# Altium PCB RCJ22_driverboard_2.PcbDoc (part 1 of 3) (continued)
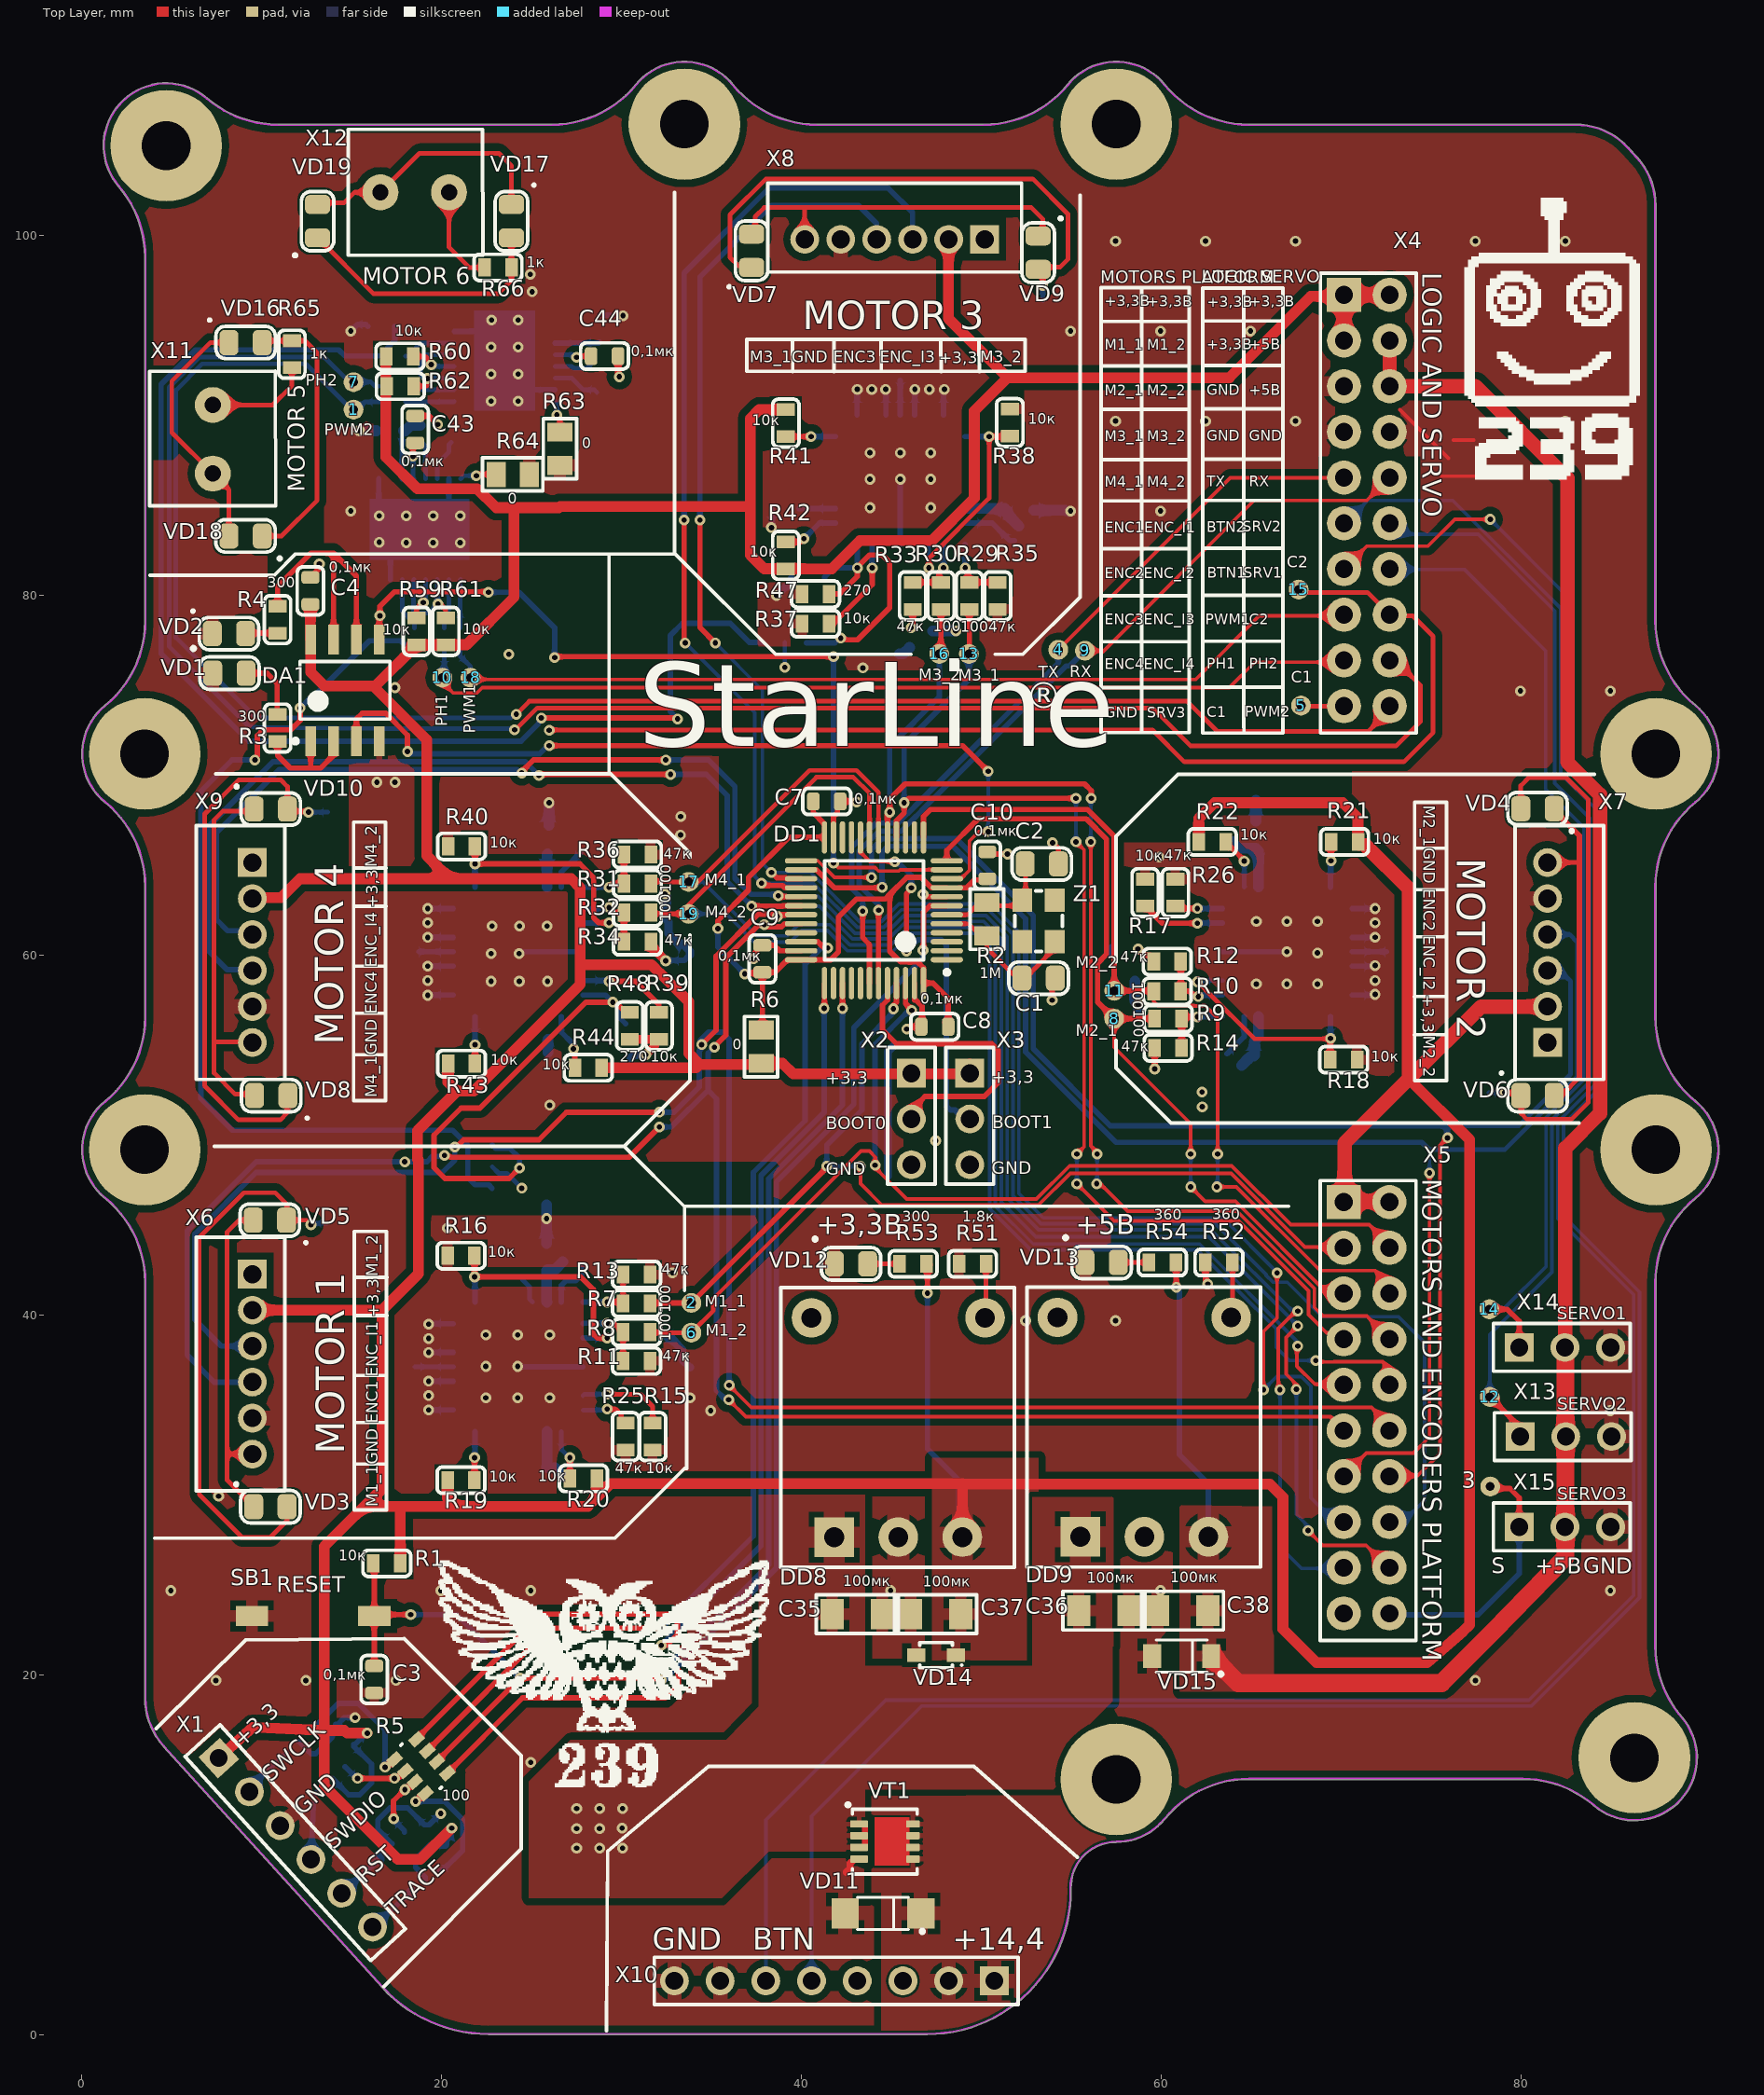
[diagram p0: Top Layer view]
## Classes and differential pairs
component class RCJ22_driverboard_2_power: C35 C36 C37 C38 C39 C40 C41 C42 C43 C44 DD8 DD9 DD10 DD11 R51 R52 R53 R54 R55 R56 R57 R58 R59 R60 R61 R62 R63 R64 R65 R66 R68 R69 R70 VD11 VD12 VD13 VD14 VD15 VD16 VD17 VD18 VD19 VT1 X10 X11 X12 X13 X14 X15
component class RCJ22_driverboard_2_mcu: C1 C2 C3 C4 C5 C6 C7 C8 C9 C10 DA1 DD1 DD2 DD3 R1 R2 R3 R4 R5 R6 SB1 VD1 VD2 X1 X2 X3 Z1
component class RCJ22_driverboard_2_drivers: * *1 C11 C12 C13 C14 C15 C16 C17 C18 C19 C20 C21 C22 C23 C24 C25 C26 C27 C28 C29 C30 C31 C32 C33 C34 C45 C46 DD4 DD5 DD6 DD7 R7 R8 R9 R10 R11 R12 R13 R14 R15 R16 R17 R18 R19 R20 R21 R22 R23 R24 R25 R26 R27 R28 R29 R30 R31 R32 R33 R34 R35 R36 R37 R38 R39 R40 R41 R42 R43 R44 R45 R46 R47 R48 R49 R50 VD3 VD4 VD5 VD6 VD7 VD8 VD9 VD10
component class RCJ22_driverboard_2_connectors: 1 2 3 4 5 6 7 8 9 10 11 12 13 14 15 16 17 18 19 X4 X5 X6 X7 X8 X9

## Components (designator, comment, footprint, x,y, rotation, side; value= is the part's Value field where it differs from the comment)
1 "PWM2" "0.5 X 1_ROUND" 15.125,90.325 r90 top
2 "1_1" "0.5 X 1_ROUND" 33.9,40.675 r90 top
3 "SERVO3" "0.5 X 1_ROUND" 78.3,30.475 r90 top
4 "RX" "0.5 X 1_ROUND" 54.292,76.975 r90 top
5 "CURRENT1" "0.5 X 1_ROUND" 67.786,73.875 r90 top
6 "1_2" "0.5 X 1_ROUND" 33.9,39.025 r90 top
7 "PH2" "0.5 X 1_ROUND" 15.125,91.85 r90 top
8 "2_1" "0.5 X 1_ROUND" 57.4,56.475 r90 top
9 "TX" "0.5 X 1_ROUND" 55.775,76.923 r90 top
10 "PH1" "0.5 X 1_ROUND" 20.062,75.425 r0 top
11 "2_2" "0.5 X 1_ROUND" 57.4,58.025 r90 top
12 "SERVO2" "0.5 X 1_ROUND" 78.275,35.455 r90 top
13 "3_1" "0.5 X 1_ROUND" 49.325,76.75 r0 top
14 "SERVO1" "0.5 X 1_ROUND" 78.25,40.325 r0 top
15 "CURRENT2" "0.5 X 1_ROUND" 67.654,80.325 r0 top
16 "3_2" "0.5 X 1_ROUND" 47.675,76.75 r0 top
17 "4_1" "0.5 X 1_ROUND" 33.75,64.075 r0 top
18 "PWM1" "0.5 X 1_ROUND" 21.625,75.425 r0 top
19 "4_2" "0.5 X 1_ROUND" 33.75,62.3 r0 top
* "*" JUMPER_PAD 39.094,77.381 r0 bottom
*1 "*" JUMPER_PAD 22.825,48.25 r90 bottom
C1 "12" C0805 53.2,58.725 r0 top
C2 "12" C0805 53.375,65.075 r0 top
C3 "0,1мк" C0603_A 16.275,19.75 r90 top
C4 "0,1мк" C0603_A 12.725,80.25 r270 top
C5 "0,1мк" C0603_A 14.642,16.702 r312.29 bottom
C6 "0,1мк" C0603_A 19.806,11.115 r312.29 bottom
C7 "0,1мк" C0603_A 41.425,68.55 r180 top
C8 "0,1мк" C0603_A 47.425,56.025 r0 top
C9 "0,1мк" C0603_A 37.85,59.8 r270 top
C10 "0,1мк" C0603_A 50.35,65 r270 top
C11 "100мк" C1206 32.42,37.1 r180 bottom
C12 "100мк" C1206 58.68,60.325 r0 bottom
C13 "0,1мк" C0603_A 25.85,43.225 r270 bottom
C14 "0,1мк" C0603_A 65.15,53.65 r90 bottom
C15 "0,1мк" C0603_A 31.8,35.275 r180 bottom
C16 "0,1мк" C0603_A 59.3,62.15 r0 bottom
C17 "0,1мк" C0603_A 31.8,38.925 r180 bottom
C18 "0,1мк" C0603_A 59.3,58.525 r0 bottom
C19 "0,1мк" C0603_A 25.85,30.825 r90 bottom
C20 "0,1мк" C0603_A 65.275,66.7 r270 bottom
C21 "0,033мк" C0603_A 28.5,42.635 r0 bottom
C22 "0,033мк" C0603_A 62.925,54.525 r180 bottom
C23 "100мк" C1206 45.475,78.15 r90 bottom
C24 "100мк" C1206 32.42,60.02 r180 bottom
C25 "0,1мк" C0603_A 52.175,84.721 r180 bottom
C26 "0,1мк" C0603_A 25.9,66.375 r270 bottom
C27 "0,1мк" C0603_A 43.648,78.775 r90 bottom
C28 "0,1мк" C0603_A 31.8,58.175 r180 bottom
C29 "0,1мк" C0603_A 47.3,78.775 r90 bottom
C30 "0,1мк" C0603_A 31.8,61.925 r180 bottom
C31 "0,1мк" C0603_A 39.125,84.825 r0 bottom
C32 "0,1мк" C0603_A 25.925,53.85 r90 bottom
C33 "0,033мк" C0603_A 51.6,82.3 r270 bottom
C34 "0,033мк" C0603_A 28.55,65.75 r0 bottom
C35 "100мк" C1206 43.125,23.375 r180 top
C36 "100мк" C1206 56.825,23.575 r180 top
C37 "100мк" C1206 47.475,23.375 r0 top
C38 "100мк" C1206 61.2,23.575 r0 top
C39 "0,022мк" C0603_A 19.8,88.5 r180 bottom
C40 "0,022мк" C0603_A 28.8,92.15 r90 bottom
C41 "0,1мк" C0603_A 17.15,89.15 r0 bottom
C42 "0,1мк" C0603_A 28.797,94.825 r270 bottom
C43 "0,1мк" C0603_A 18.55,89.225 r90 top
C44 "0,1мк" C0603_A 29.075,93.3 r0 top
C45 "1мк" C0805 40.384,80.913 r0 bottom
C46 "1мк" C0805 30.243,55.267 r90 bottom
DA1 "LMV358" SOIC8 14.65,74.725 r90 top
DD1 "STM32F103CB" LQFP48_H 44.05,62.5 r180 top
DD2 "TPD2S017" SOT-23 13.014,15.278 r312.29 bottom
DD3 "TPD2S017" SOT-23 18.178,9.601 r312.29 bottom
DD4 "MC33926" PQFN32 24.275,37.125 r180 bottom
DD5 "MC33926" PQFN32 67.025,60.192 r0 bottom
DD6 "MC33926" PQFN32 45.512,86.425 r90 bottom
DD7 "MC33926" PQFN32 24.275,60.192 r180 bottom
DD8 "PTH08080W" EUF_R_PDSS_T5 45.4,33.755 r90 top
DD9 "PTH08080W" EUF_R_PDSS_T5 59.075,33.775 r90 top
DD10 "DRV8876" HTSSOP16 18.8,83.675 r180 bottom
DD11 "DRV8876" HTSSOP16 23.525,93.05 r90 bottom
R1 "10к" R0603 16.975,26.2 r0 top
R2 "1М" R0805 50.325,62 r270 top
R3 "300" R0603 10.9,72.625 r90 top
R4 "300" R0603 10.9,78.65 r270 top
R5 "100" R0603X4 18.875,14.925 r312.29 top
R6 "0" R0805 37.775,54.92 r270 top
R7 "100" R0603 30.85,40.65 r180 top
R8 "100" R0603 30.85,39.05 r180 top
R9 "100" R0603 60.4,56.475 r0 top
R10 "100" R0603 60.35,58 r0 top
R11 "47к" R0603 30.85,37.45 r180 top
R12 "47к" R0603 60.35,59.65 r0 top
R13 "47к" R0603 30.85,42.25 r180 top
R14 "47к" R0603 60.4,54.85 r0 top
R15 "10к" R0603 31.75,33.25 r90 top
R16 "10к" R0603 21.1,43.3 r0 top
R17 "10к" R0603 59.125,63.475 r270 top
R18 "10к" R0603 70.15,54.2 r180 top
R19 "10к" R0603 21.1,30.825 r0 top
R20 "10к" R0603 27.9,30.925 r180 top
R21 "10к" R0603 70.2,66.3 r180 top
R22 "10к" R0603 62.85,66.3 r0 top
R23 "47к" R0603 17.775,37.125 r0 bottom
R24 "47к" R0603 73.55,60.2 r180 bottom
R25 "47к" R0603 30.25,33.25 r90 top
R26 "47к" R0603 60.8,63.475 r270 top
R27 "1к" R0603 14.4,45.1 r180 bottom
R28 "1к" R0603 77.475,52.35 r0 bottom
R29 "100" R0603 49.35,79.975 r90 top
R30 "100" R0603 47.775,79.975 r90 top
R31 "100" R0603 30.9,63.983 r180 top
R32 "100" R0603 30.9,62.367 r180 top
R33 "47к" R0603 46.2,79.975 r90 top
R34 "47к" R0603 30.9,60.75 r180 top
R35 "47к" R0603 50.925,79.975 r90 top
R36 "47к" R0603 30.9,65.6 r180 top
R37 "10к" R0603 40.8,78.425 r0 top
R38 "10к" R0603 51.6,89.6 r270 top
R39 "10к" R0603 32.1,56.075 r90 top
R40 "10к" R0603 21.125,66.05 r0 top
R41 "10к" R0603 39.15,89.575 r270 top
R42 "10к" R0603 39.15,82.225 r90 top
R43 "10к" R0603 21.125,53.975 r0 top
R44 "10к" R0603 28.172,53.75 r180 top
R45 "47к" R0603 45.525,92.9 r270 bottom
R46 "47к" R0603 17.675,60.192 r0 bottom
R47 "270" R0603 40.8,80.075 r0 top
R48 "270" R0603 30.475,56.075 r90 top
R49 "1к" R0603 53.425,95.625 r90 bottom
R50 "1к" R0603 14.55,68 r180 bottom
R51 "1,8к" R0603 49.525,42.85 r0 top
R52 "360" R0603 63.225,42.925 r0 top
R53 "300" R0603 46.225,42.85 r0 top
R54 "360" R0603 60.075,42.925 r0 top
R55 "2,2к" R0603 16.95,76.725 r90 bottom
R56 "2,2к" R0603 16.675,94.95 r0 bottom
R57 "100" R0603X4 19.774,77.55 r180 bottom
R58 "100" R0603X4 17.375,92.03 r90 bottom
R59 "10к" R0603 18.625,78 r270 top
R60 "10к" R0603 17.7,93.275 r180 top
R61 "10к" R0603 20.25,78 r270 top
R62 "10к" R0603 17.725,91.625 r180 top
R63 "0" R0805 26.6,88.15 r270 top
R64 "0" R0805 23.975,86.725 r0 top
R65 "1к" R0603 11.7,93.4 r90 top
R66 "1к" R0603 23.15,98.225 r0 top
SB1 "2,5*3*6mm H DIP" "2.5*3*6mm button" 12.876,24.35 r180 top
VD1 "YELLOW" LED0805_YELLOW 8.225,75.675 r0 top
VD2 "GREEN" LED0805_GREEN 8.2,77.875 r0 top
VD3 "BLUE" LED0805_BLUE 10.502,29.35 r0 top
VD4 "BLUE" LED0805_BLUE 80.925,68.15 r180 top
VD5 "GREEN" LED0805_GREEN 10.475,45.275 r180 top
VD6 "GREEN" LED0805_GREEN 80.925,52.2 r0 top
VD7 "GREEN" LED0805_GREEN 37.25,99.15 r90 top
VD8 "GREEN" LED0805_GREEN 10.55,52.2 r180 top
VD9 "BLUE" LED0805_BLUE 53.175,99.047 r270 top
VD10 "BLUE" LED0805_BLUE 10.525,68.125 r0 top
VD11 "SMAJ15CA-TR" DO-214AC 44.55,6.75 r180 top
VD12 "YELLOW" LED0805_YELLOW 42.775,42.85 r0 top
VD13 "YELLOW" LED0805_YELLOW 56.7,42.925 r0 top
VD14 "MM3Z3V3B" SOD-323 47.5,21.1 r180 top
VD15 "MMSZ5231B-TP" SOD123_A 61.15,21.05 r180 top
VD16 "GREEN" LED0805_GREEN 9.125,94.05 r0 top
VD17 "GREEN" LED0805_GREEN 23.9,100.8 r270 top
VD18 "BLUE" LED0805_BLUE 9.123,83.3 r180 top
VD19 "BLUE" LED0805_BLUE 13.125,100.8 r90 top
VT1 "IRFHM9331TRPBF" PQFN_3.3*3.3 44.651,10.739 r0 top
X1 "PLS-6" PLS-6 11.893,10.677 r312.29 top
X2 "PLS-3" PLS-3 46.125,50.9 r270 top
X3 "PLS-3" PLS-3 49.375,50.9 r270 top
X4 "PLS-20" PLS-2-10 71.44,85.275 r270 top
X5 "PLS-20" PLS-2-10 71.424,34.85 r270 top
X6 "JST PH2.0-6" PH2.0-6pin 9.487,37.275 r270 top
X7 "JST PH2.0-6" PH2.0-6pin 81.5,60.15 r90 top
X8 "JST PH2.0-6" PH2.0-6pin 45.202,99.8 r180 top
X9 "JST PH2.0-6" PH2.0-6pin 9.487,60.15 r270 top
X10 "PLS-8" PLS-8 41.85,3 r180 top
X11 "KLS2-125" KLS2 7.3,88.675 r90 top
X12 "KLS2-125" KLS2 18.525,102.4 r0 top
X13 "PLS-3" PLS-3 82.5,33.25 r0 top
X14 "PLS-3" PLS-3 82.45,38.2 r0 top
X15 "PLS-3" PLS-3 82.45,28.225 r0 top
Z1 "*" KX-7T 53.2,61.9 r270 top

## Footprints (in the part's own frame and the unit in brackets; to place one, negate y for a bottom-side part, rotate by r counter-clockwise, add the part's x,y. Pads: shape width x height; smd on the part's side, far side on the other; paste and mask are expansions set on the pad)
"0.5 X 1_ROUND" [mm]
  round 1.1 hole 0.5: 1(0,0)
"2.5*3*6mm button" [mm] "button"
  rect 1.8x1.1 smd: 1(-3.4,1.075) 2(3.4,1.075)
C0603_A [mm]
  rrect50% 0.7x1 smd: 1(-0.75,0) 2(0.75,0)
  Top Layer pour cut-out: -0.4,0.5 0.4,0.5 0.4,-0.5 -0.4,-0.5
  silkscreen extent -1.33,-0.73 1.33,0.73, body extent -0.8,-0.4 0.8,0.4, height 0.9
C0805 [mm]
  rrect50% 1.05x1.4 smd: 1(-0.925,0) 2(0.925,0)
  silkscreen extent -1.65,-0.9 1.65,0.9, body extent -1,-0.62 1,0.63, height 0.6
C1206 [mm]
  rect 1.3x1.7 smd: 1(-1.4,0) 2(1.4,0)
  silkscreen extent -2.27,-1.07 2.27,1.07, body extent -1.6,-0.87 1.6,0.87, height 1.7
DO-214AC [mm]
  rect 1.52x1.67 smd: 1(-2.1,0) 2(2.1,0)
  silkscreen extent -2.28,-0.9 1.43,1.1, body extent -2.6,-1.3 2.6,1.3, height 2.4
EUF_R_PDSS_T5 [mm] "PTH08080W"
  rect 2.2x2.2 hole 1.1: 1(-6.095,3.56)
  round 2.2 hole 1.1: 2(-6.095,0) 3(-6.095,-3.56) 4(6.095,-4.825) 5(6.095,4.825)
  silkscreen extent -7.78,-6.46 7.78,6.53, body extent -7.62,-6.33 7.62,6.37, height 8.25
HTSSOP16 [mm]
  rect 0.35x1.6 smd: 1(-2.275,-2.8) 2(-1.625,-2.8) 3(-0.975,-2.8) 4(-0.325,-2.8) 5(0.325,-2.8) 6(0.975,-2.8) 7(1.625,-2.8) 8(2.275,-2.8) 9(2.275,2.8) 10(1.625,2.8) 11(0.975,2.8) 12(0.325,2.8) 13(-0.325,2.8) 14(-0.975,2.8) 15(-1.625,2.8) 16(-2.275,2.8)
  rect 2.31x2.46 smd: 17(-0.325,-0.002)
  Top Layer region: -2.775,1.7 2.775,1.7 2.775,-1.7 -2.775,-1.7
  silkscreen extent -3.77,-2.73 2.93,2.3, body extent -2.55,-3.25 2.55,3.25, height 1.06
JUMPER_PAD [mm]
  rrect50% 0.75x1.5 smd: 1(-1.1,0) 3(1.1,0.015)
  rect 1x1.5 smd: 2(0,0)
  silkscreen extent -1.68,-0.97 1.7,0.97
KLS2 [mm]
  round 2 hole 0.9: 1(-1.905,0) 2(1.905,0)
  silkscreen extent -3.7,-3.5 3.79,3.5, body extent -4.31,-3.5 4.31,3.5, height 8.5
KX-7T [mm]
  rect 1.3x1.1 smd: 0(-1.15,0.9) 0(1.15,-0.9) 1(1.15,0.9) 2(-1.15,-0.9)
  Top Layer pour cut-out: -1.8,1.45 -1.8,-1.45 1.8,-1.45 1.8,1.45
  silkscreen extent -1.68,-1.33 1.7,1.33, body extent -1.61,-1.25 1.61,1.25, height 0.81
LED0805_BLUE [mm]
  rrect50% 1.05x1.4 smd: 1(-0.925,0) 2(0.925,0)
  silkscreen extent -1.95,-0.9 1.65,1.3, body extent -1,-0.63 1,0.62, height 1.15
LED0805_GREEN [mm]
  rrect50% 1.05x1.4 smd: 1(-0.925,0) 2(0.925,0)
  silkscreen extent -2.02,-0.9 1.65,1.27, body extent -1,-0.62 1,0.62, height 1.15
LED0805_YELLOW [mm]
  rrect50% 1.05x1.4 smd: 1(-0.925,0) 2(0.925,0)
  silkscreen extent -2.07,-0.9 1.65,1.45, body extent -1.01,-0.62 1.01,0.63, height 1.1
LQFP48_H [mm]
  oval 1.8x0.3 smd: 1(-4.05,2.75) 2(-4.05,2.25) 3(-4.05,1.75) 4(-4.05,1.25) 5(-4.05,0.75) 6(-4.05,0.25) 7(-4.05,-0.25) 8(-4.05,-0.75) 9(-4.05,-1.25) 10(-4.05,-1.75) 11(-4.05,-2.25) 12(-4.05,-2.75) 25(4.05,-2.75) 26(4.05,-2.25) 27(4.05,-1.75) 28(4.05,-1.25) 29(4.05,-0.75) 30(4.05,-0.25) 31(4.05,0.25) 32(4.05,0.75) 33(4.05,1.25) 34(4.05,1.75) 35(4.05,2.25) 36(4.05,2.75)
  oval 0.3x1.8 smd: 13(-2.75,-4.05) 14(-2.25,-4.05) 15(-1.75,-4.05) 16(-1.25,-4.05) 17(-0.75,-4.05) 18(-0.25,-4.05) 19(0.25,-4.05) 20(0.75,-4.05) 21(1.25,-4.05) 22(1.75,-4.05) 23(2.25,-4.05) 24(2.75,-4.05) 37(2.75,4.05) 38(2.25,4.05) 39(1.75,4.05) 40(1.25,4.05) 41(0.75,4.05) 42(0.25,4.05) 43(-0.25,4.05) 44(-0.75,4.05) 45(-1.25,4.05) 46(-1.75,4.05) 47(-2.25,4.05) 48(-2.75,4.05)
  silkscreen extent -4.18,-2.75 2.75,3.57, body extent -4.51,-4.51 4.51,4.51, height 1.46
PH2.0-6pin [mm]
  rect 1.6x1.6 hole 1: 1(-5,0.012)
  round 1.6 hole 1: 2(-3,0.012) 3(-1,0.012) 4(1,0.012) 5(3,0.012) 6(5,0.012)
  silkscreen extent -7.05,-3.1 7.05,1.83, body extent -6.93,-2.97 6.93,1.7, height 5.89
PLS-2-10 [mm]
  rect 1.9x1.9 hole 1: 1(-11.43,-1.27)
  round 1.9 hole 1: 2(-11.43,1.27) 3(-8.89,-1.27) 4(-8.89,1.27) 5(-6.35,-1.27) 6(-6.35,1.27) 7(-3.81,-1.27) 8(-3.81,1.27) 9(-1.27,-1.27) 10(-1.27,1.27) 11(1.27,-1.27) 12(1.27,1.27) 13(3.81,-1.27) 14(3.81,1.27) 15(6.35,-1.27) 16(6.35,1.27) 17(8.89,-1.27) 18(8.89,1.27) 19(11.43,-1.27) 20(11.43,1.27)
  silkscreen extent -12.62,-2.58 12.93,2.75, body extent -12.6,-2.46 12.8,2.62, height 9.2
PLS-3 [mm]
  rect 1.6x1.6 hole 1: 1(-2.54,0)
  round 1.6 hole 1: 2(0,0) 3(2.54,0)
  silkscreen extent -3.98,-1.33 3.62,1.33, body extent -3.88,-1.3 3.52,1.24, height 8.54
PLS-6 [mm]
  rect 1.6x1.6 hole 1: 1(-6.35,0.013)
  round 1.6 hole 1: 2(-3.81,0.012) 3(-1.27,0.013) 4(1.27,0.012) 5(3.81,0.012) 6(6.35,0.012)
  silkscreen extent -7.66,-1.31 7.66,1.31, body extent -7.62,-1.24 7.62,1.3, height 8.54
PLS-8 [mm]
  rect 1.6x1.6 hole 1: 1(-8.89,0)
  round 1.6 hole 1: 2(-6.35,0) 3(-3.81,0) 4(-1.27,0) 5(1.27,0) 6(3.81,0) 7(6.35,0) 8(8.89,0)
  silkscreen extent -10.22,-1.31 10.01,1.31
PQFN32 [mm]
  rect 1.4x1.4 smd mask+0: 1(-3.6,3.6) 9(-3.6,-3.6) 17(3.6,-3.6) 25(3.6,3.6)
  rect 1.4x0.6 smd mask+0: 2(-3.6,2.4) 3(-3.6,1.6) 4(-3.6,0.8) 5(-3.6,0) 6(-3.6,-0.8) 7(-3.6,-1.6) 8(-3.6,-2.4) 18(3.6,-2.4) 19(3.6,-1.6) 20(3.6,-0.8) 21(3.6,0) 22(3.6,0.8) 23(3.6,1.6) 24(3.6,2.4)
  rect 0.6x1.4 smd mask+0: 10(-2.4,-3.6) 11(-1.6,-3.6) 12(-0.8,-3.6) 13(0,-3.6) 14(0.8,-3.6) 15(1.6,-3.6) 16(2.4,-3.6) 26(2.4,3.6) 27(1.6,3.6) 28(0.8,3.6) 29(0,3.6) 30(-0.8,3.6) 31(-1.6,3.6) 32(-2.4,3.6)
  rect 5x5.2 smd mask+0: 33(0,0)
  silkscreen extent -5.25,-4.5 4.5,4.5, body extent -4,-4 4,4, height 2.1
PQFN_3.3*3.3 [mm] "QFN, 8-Leads, Body 3,30x3,30mm, Pitch 0,65mm, Thermal Pad 1,70x2,25mm"
  rrect25% 1x0.4 smd paste-0.025 mask+0.06: 1(-1.43,-0.325) 1(-1.43,0.325) 1(-1.43,0.975) 2(-1.43,-0.975)
  rrect25% 0.76x0.4 smd paste-0.025 mask+0.06: 3(1.56,-0.975) 3(1.56,-0.325) 3(1.56,0.325) 3(1.56,0.975)
  Top Layer region: -0.575,-1.35 1.375,-1.35 1.375,1.35 -0.575,1.35
  Top Layer region: -1.28,-0.325 -0.93,-0.325 -0.93,0.975 -1.28,0.975
  silkscreen extent -2.06,-1.8 1.8,2.05, body extent -1.51,-1.5 1.52,1.5, height 1
R0603 [mm]
  rect 0.7x1 smd: 1(-0.75,0) 2(0.75,0)
  Top Layer pour cut-out: -0.4,0.5 0.4,0.5 0.4,-0.5 -0.4,-0.5
  silkscreen extent -1.33,-0.73 1.33,0.73, body extent -0.8,-0.43 0.8,0.43, height 0.48
R0603X4 [mm]
  rect 0.55x0.8 smd: 1(-1.275,-0.825) 2(-0.4,-0.825) 3(0.4,-0.825) 4(1.275,-0.825) 5(1.275,0.825) 6(0.4,0.825) 7(-0.4,0.825) 8(-1.275,0.825)
  Top Layer pour cut-out: -1.648,0.325 -1.642,0.32 1.645,0.32 1.645,-0.328 1.64,-0.323 -1.65,-0.323
  silkscreen extent -1.63,-0.05 1.63,0.05, body extent -1.6,-0.8 1.6,0.8, height 0.5
R0805 [mm]
  rect 1.05x1.4 smd: 1(-0.925,0) 2(0.925,0)
  silkscreen extent -1.68,-0.92 1.68,0.92, body extent -1,-0.62 1,0.63, height 0.6
SOD123_A [mm]
  rect 1x1.3 smd: 1(-1.64,0) 2(1.64,0)
  silkscreen extent -2.28,-0.9 1.43,1.1, body extent -1.95,-0.9 1.95,0.9, height 1.18
SOD-323 [mm] "SODFL, 2-Leads, Body 1,25x2,50mm, IPC Medium Density"
  rect 1x0.75 smd: 1(-1.1,0) 2(1.1,0)
  silkscreen extent -1.48,-0.7 0.9,0.7, body extent -1.25,-0.67 1.25,0.68, height 1
SOIC8 [mm]
  rect 1.65x0.6 smd: 1(-2.825,1.905) 2(-2.825,0.635) 3(-2.825,-0.635) 4(-2.825,-1.905) 5(2.825,-1.905) 6(2.825,-0.635) 7(2.825,0.635) 8(2.825,1.905)
  silkscreen extent -2.95,-2.5 1.6,2.88, body extent -3,-2.45 3,2.45, height 1.7
SOT-23 [mm] "SOT95P280X145-6N"
  rect 1x0.6 smd: 1(-1.375,0.95) 2(-1.375,0) 3(-1.375,-0.95) 4(1.375,-0.95) 5(1.375,0) 6(1.375,0.95)
  silkscreen extent -1.5,-1.4 0.5,1.92, body extent -1.16,-1.4 1.26,1.39, height 1.09

## Part data
1 2 3 4 5 6 7 8 9 10 11 12 13 14 15 16 17 18 19: library part TestPoint, "Test point"
  1: Наименование=PWM2
  2: Наименование=1_1
  3: Наименование=SERVO3
  4: Наименование=RX
  5: Наименование=CURRENT1
  6: Наименование=1_2
  7: Наименование=PH2
  8: Наименование=2_1
  9: Наименование=TX
  10: Наименование=PH1
  11: Наименование=2_2
  12: Наименование=SERVO2
  13: Наименование=3_1
  14: Наименование=SERVO1
  15: Наименование=CURRENT2
  16: Наименование=3_2
  17: Наименование=4_1
  18: Наименование=PWM1
  19: Наименование=4_2
C1 C2 C3 C4 C5 C6 C7 C8 C9 C10 C11 C12 C13 C14 C15 C16 C17 C18 C19 C20 C21 C22 C23 C24 C25 C26 C27 C28 C29 C30 C31 C32 C33 C34 C35 C36 C37 C38 C39 C40 C41 C42 C43 C44 C45 C46: library part Конденсатор, Value2=50В
  C1 C2: Value1=12
  C3 C4 C5 C6 C7 C8 C9 C10 C13 C14 C15 C16 C17 C18 C19 C20 C25 C26 C27 C28 C29 C30 C31 C32 C41 C42 C43 C44: Value1=0,1мк
  C11 C12 C23 C24 C35 C36 C37 C38: Value1=100мк
  C21 C22 C33 C34: Value1=0,033мк
  C39 C40: Value1=0,022мк
  C45 C46: Value1=1мк
DA1: "Усилитель"
DD1: "Микроконтроллер", Наименование=STM32F103CB, Производитель=STMicroelectronics
DD2 DD3: "ESD защита"
DD4 DD5 DD6 DD7: "Драйвер двигателей"
DD8 DD9: "Стабилизатор"
R1 R2 R3 R4 R7 R8 R9 R10 R27 R28 R29 R30 R31 R32 R49 R50 R51 R52 R53 R54 R55 R56 R59 R60 R61 R62 R65 R66: library part "Резистор 0.125 Вт"
R5 R57 R58: library part "Сборка резисторов"
R6 R11 R12 R13 R14 R15 R16 R17 R18 R19 R20 R21 R22 R23 R24 R25 R26 R33 R34 R35 R36 R37 R38 R39 R40 R41 R42 R43 R44 R45 R46 R47 R48 R63 R64: library part "Резистор 0.05 Вт"
SB1: library part "Замыкающий контакт", Name="2,5*3*6mm H DIP"
VD1 VD2 VD3 VD4 VD5 VD6 VD7 VD8 VD9 VD10 VD16 VD17 VD18 VD19: library part Светодиод
  VD1: Color=YELLOW
  VD2 VD5 VD6 VD7 VD8 VD16 VD17: Color=GREEN
  VD3 VD4 VD9 VD10 VD18 VD19: Color=BLUE
VD11 VD14 VD15: library part "TVS Диод"
  VD11: Name=SMAJ15CA-TR
  VD14: Name=MM3Z3V3B
  VD15: Name=MMSZ5231B-TP
VD12 VD13: library part Светодиод_2, Color=YELLOW
VT1: library part P-MOSFET, "P-MOSFET", Name=IRFHM9331TRPBF
X1 X6 X7 X8 X9: library part "Разъем 6", "6 вилка"
  X1: Contact_1=+3,3В, Contact_2=SWCLK, Contact_3=GND, Contact_4=SWDIO, Contact_5=RST, Contact_6=TRACESWO, Name=PLS-6
  X6: Contact_1=MOTOR1_2, Contact_2=+3,3В, Contact_3=ENC1_INT, Contact_4=ENC1, Contact_5=GND, Contact_6=MOTOR1_1, Name="JST PH2.0-6"
  X7: Contact_1=MOTOR2_2, Contact_2=+3,3В, Contact_3=ENC2_INT, Contact_4=ENC2, Contact_5=GND, Contact_6=MOTOR2_1, Name="JST PH2.0-6"
  X8: Contact_1=MOTOR3_2, Contact_2=+3,3В, Contact_3=ENC3_INT, Contact_4=ENC3, Contact_5=GND, Contact_6=MOTOR3_1, Name="JST PH2.0-6"
  X9: Contact_1=MOTOR4_2, Contact_2=+3,3В, Contact_3=ENC4_INT, Contact_4=ENC4, Contact_5=GND, Contact_6=MOTOR4_1, Name="JST PH2.0-6"
X2 X3 X13 X14 X15: library part "Разъем 8", "3 вилка", Contact_3=GND, Name=PLS-3
  X2: Contact_1=+3,3В, Contact_2=BOOT0
  X3: Contact_1=+3,3В, Contact_2=BOOT1
  X13 X14 X15: Contact_1=SIGNAL, Contact_2=+5В
X4 X5: library part "Разъем 23", "20 вилка", Contact_1=+3,3В, Contact_2=+3,3В, Name=PLS-20
  X4: Contact_3=+3,3В, Contact_4=+5В, Contact_5=GND, Contact_6=+5В, Contact_7=GND, Contact_8=GND, Contact_9=MCU_TX, Contact_10=MCU_RX, Contact_11=BUTTON2, Contact_12=SERVO2, Contact_13=BUTTON1, Contact_14=SERVO1, Contact_15=PWM1, Contact_16=CURRENT2, Contact_17=PH1, Contact_18=PH2, Contact_19=CURRENT1, Contact_20=PWM2
  X5: Contact_3=MOTOR1_IN1, Contact_4=MOTOR1_IN2, Contact_5=MOTOR2_IN1, Contact_6=MOTOR2_IN2, Contact_7=MOTOR3_IN1, Contact_8=MOTOR3_IN2, Contact_9=MOTOR4_IN1, Contact_10=MOTOR4_IN2, Contact_11=ENC1, Contact_12=ENC1_INT1, Contact_13=ENC2, Contact_14=ENC_INT2, Contact_15=ENC3, Contact_16=ENC_INT3, Contact_17=ENC4, Contact_18=ENC_INT4, Contact_19=GND, Contact_20=SERVO3
X10: library part "Разъем 9", "8 розетка", Contact_1=+14,4В, Contact_2=+14,4В, Contact_3=NC, Contact_4=NC, Contact_5=BUTTON1, Contact_6=BUTTON2, Contact_7=GND, Contact_8=GND, Name=PLS-8
X11 X12: library part "Разъем 1", "2 розетка", Name=KLS2-125
  X11: Contact_1=MOTOR_GRAB1_1, Contact_2=MOTOR_GRAB1_2
  X12: Contact_1=MOTOR_GRAB2_1, Contact_2=MOTOR_GRAB2_2
Z1: library part Quartz, "Кварцевый резонатор", Value1=12МГц

## Free pads (board coordinates)
  round 6.2 hole 2.7: ""(3.512,49.192) ""(3.512,71.192) ""(4.712,104.992) ""(33.512,106.192) ""(57.512,14.192) ""(57.512,106.192) ""(86.312,15.392) ""(87.512,49.192) ""(87.512,71.192)

## Via types
v1: diameter 0.6, hole 0.3, Top Layer to Bottom Layer, tented both sides, 306 vias

## Nets (pads, with @x,y where several pads share a name; then routed paths per layer and width w, separated by ;. In a path a pad name is that pad's centre, name@x,y a point inside that pad or via, vN(x,y) a via of type N, cw(c..) or ccw(c..) an arc to the next point about the centre after c; other vN are vias at no path point)
+3,3В: C4.2 C5.2 C6.2 C37.2 DA1.8 DD2.5 DD3.5 DD8.3 R1.2 R6.2 R19.1 R20.1 R21.1 R22.1 R41.1 R42.1 R43.1 R44.1 R53.2 R59.2 R60.2 R61.2 R62.2 VD14.1 X1.1 X2.1 X3.1 X4.1 X4.2 X4.3 X5.1 X5.2 X6.2 X7.2 X8.2 X9.2 | length 447.7
  Top Layer w0.3: v1(47.025,41.225) R53.2@47.025,42.8
  Top Layer w0.6: X1.1@7.63,15.383 9.338,16.936 9.509,17.092 9.756,17.092 13.484,16.916 ; X9.2@9.39,63.192 11.092,63.192 12.15,64.25 20.475,64.25 ; X6.2@9.525,40.275 16.7,40.275 ; C4.2@12.725,79.5 12.725,77.57 DA1.8@12.745,77.55 12.745,75.73 13.5,74.975 16.2,74.975 ; v1(15.889,16.767) 14.761,16.767 14.613,16.916 13.484,16.916 ; R60.2@16.925,93 16.925,91.625 16.925,87.675 18.675,85.925 22,85.925 23.05,84.875 24.05,84.875 ; R1.2@17.725,26.2 17.725,29.355 17.705,29.375 ; R19.1@20.35,30.825 20.35,29.825 20.8,29.375 ; R43.1@20.375,53.975 20.375,52.95 20.875,52.45 ; v1(20.58,11.488) 18.838,9.746 17.581,9.746 13.484,13.843 13.484,16.916 ; R20.1@28.65,30.925 28.65,29.875 ; R44.1@28.922,53.75 34.175,53.75 34.36,53.935 ; R41.1@39.15,90.325 37.675,90.325 37.175,89.825 37.175,84.946 ; R53.2@46.975,42.85 R53.2@47.025,42.8 ; X8.2@48.192,99.763 48.192,95.383 51.475,92.1 ; DD8.3@48.96,27.66 48.96,30.6 ; X3.1@49.375,53.94 48.835,53.4 46.125,53.4 39.56,53.4 38.965,53.995 R6.2@37.775,53.995 37.715,53.935 34.36,53.935 ; R22.1@62.1,66.3 62.1,67.6 62.975,68.475 70.1,68.475 70.95,67.625 R21.1@70.95,66.3 70.95,66.15 71,66.1 71.375,66.1 ; X4.1@70.205,96.705 X4.1@70.17,96.705 70.17,96.615 68.315,96.615 63.8,92.1 51.475,92.1 ; 73.775,53.125 77.15,49.75 77.15,22.783 76.799,22.432 74.802,20.683 68.642,20.683 66.775,22.55 66.775,29.875 66.05,30.6 48.96,30.6 ; 13.484,16.916 13.484,27.134 15.725,29.375 ; 15.725,29.375 16.7,30.35 16.7,40.275 ; 15.725,29.375 17.705,29.375 ; 16.2,74.975 19.2,71.975 19.2,65.525 20.475,64.25 ; 16.2,74.975 16.35,74.975 R59.2@18.625,77.25 R61.2@20.25,77.25 21.4,77.25 24.05,79.9 24.05,84.875 ; 16.7,40.275 18.725,42.3 18.725,48.627 18.675,48.677 18.675,50.25 20.875,52.45 ; 17.705,29.375 20.8,29.375 ; 20.475,64.25 27.225,64.25 27.725,63.75 27.725,59.463 ; 20.8,29.375 28.15,29.375 28.65,29.875 ; 20.875,52.45 21.801,52.45 27.725,58.374 27.725,59.463 ; 24.05,84.875 26.528,84.875 26.599,84.946 37.175,84.946 ; 27.725,59.463 31.677,59.463 32.175,58.965 32.2,58.965 33.75,57.416 33.75,54.545 34.36,53.935 ; 28.65,29.875 29.4,30.625 48.96,30.625 48.96,30.6 ; 37.175,84.946 37.175,82.25 37.95,81.475 R42.1@39.15,81.475 41.7,81.475 43.275,83.05 47.275,83.05 49.625,85.4 49.625,90.25 51.475,92.1
  Top Layer w0.8: X5.1@70.15,46.32 X5.2@72.69,46.32 ; X4.3@70.17,94.165 X4.1@70.17,96.615 ; X5.1@70.205,46.595 70.205,49.555 73.775,53.125 ; X4.1@70.205,96.705 X4.2@72.71,96.705 ; 71.375,66.1 73.775,63.7 73.775,53.125 ; X7.2@81.488,57.15 77.8,57.15 73.775,53.125
  Bottom Layer w0.3: DD2.5@13.939,14.261 14.859,13.341 15.46,13.341 16.118,13.999 16.118,15.052 15.146,16.024 C5.2@15.146,16.147 15.213,16.147 15.833,16.767 v1(15.889,16.767) ; DD3.5@19.103,8.584 19.103,8.772 18.574,9.301 18.574,9.753 19.382,10.561 19.85,10.561 19.93,10.481 20.231,10.481 C6.2@20.311,10.561 20.311,10.8 20.526,11.015 20.526,11.434 v1(20.58,11.488) ; v1(47.025,41.225) 47.025,32.56 48.767,30.817 48.767,27.852 DD8.3@48.96,27.66
+5В: C38.2 DD9.3 R54.2 VD15.1 X4.4 X4.6 X13.2 X14.2 X15.2 | length 115.9
  Top Layer w0.2: X4.6@72.69,91.605 X4.6@73.27,91.605
  Top Layer w0.3: R54.2@60.825,42.925 60.8,42.9 60.85,42.85 v1(60.85,41.55)
  Top Layer w0.8: X4.4@72.71,94.165 X4.6@72.71,91.625 77.468,91.625 82.584,86.508 82.584,70.738 84.402,68.92 84.402,51.208 82.475,49.281 X14.2@82.475,38.3
  Top Layer w1: VD15.1@62.79,21.05 64.29,19.55 75.592,19.55 78.447,22.405 82.475,26.547 X14.2@82.475,38.3
  Bottom Layer w0.3: v1(60.85,41.55) 60.85,41.469 61.03,41.289 61.03,32.239 62.635,30.634 DD9.3@62.635,27.68
+14,4В: C11.2 C12.2 C13.2 C14.2 C15.2 C16.2 C17.2 C18.2 C19.2 C20.2 C21.2 C22.2 C23.2 C24.2 C25.2 C26.2 C27.2 C28.2 C29.2 C30.2 C31.2 C32.2 C33.2 C34.2 C35.2 C36.2 C41.2 C42.2 C43.2 C44.2 DD4.4 DD4.6 DD4.11 DD4.31 DD5.4 DD5.6 DD5.11 DD5.31 DD6.4 DD6.6 DD6.11 DD6.31 DD7.4 DD7.6 DD7.11 DD7.31 DD8.1 DD9.1 DD10.11 DD11.11 VT1.1 | length 30
  Top Layer w0.3: C43.2@18.55,89.975 19.325,89.975 v1(19.8,89.5) ; C44.2@29.825,93.3 29.825,92.225 v1(29.9,92.15)
  Bottom Layer w0.3: DD10.11@17.825,86.475 17.825,89.075 C41.2@17.9,89.15 ; 25.925,55.311 25.989,55.375 ; DD11.11@26.325,94.025 28.747,94.025 C42.2@28.797,94.075 ; C31.2@39.875,84.825 DD6.11@41.912,84.825
  Bottom Layer w0.6: C41.2@17.9,89.15 18,89.15 18.3,89.45 18.825,89.45 ; DD4.11@25.875,33.525 25.875,31.6 C19.2@25.85,31.575 25.9,31.525 26.325,31.525 26.85,31 ; DD4.31@25.875,40.725 25.85,40.75 C13.2@25.85,42.475 25.9,42.525 26.315,42.525 26.749,42.959 ; DD7.31@25.875,63.792 25.875,65.6 C26.2@25.9,65.625 ; C32.2@25.925,54.6 25.925,55.311 ; DD6.31@49.112,84.825 51.321,84.825 C25.2@51.425,84.721 51.425,84.525 52.1,83.85 ; 63.925,66.325 64.3,65.95 64.325,65.95 64.328,65.953 65.272,65.953 C20.2@65.275,65.95 65.425,65.8 DD5.11@65.425,63.792 ; 64.483,53.883 65,54.4 C14.2@65.15,54.4 65.2,54.45 65.2,55.25 65.425,55.475 DD5.31@65.425,56.592
  other v1: 27.525,10.375 28.8,10.375 30.075,10.375 27.525,11.462 28.8,11.462 30.05,11.488 27.525,12.575 28.8,12.575 30.075,12.575
+14,4В_BATTERY: VD11.1 VT1.3 X10.1 X10.2
CONN_BUTTON1: X4.13 X10.5 | length 134.6
  Top Layer w0.2: X4.13@70.15,81.445 X4.13@70.17,81.465 71.44,82.735 74.835,82.735 76.226,84.126 ; 76.227,84.125 76.327,84.225 v1(78.3,84.225)
  Bottom Layer w0.2: X10.5@40.58,3 40.58,12.155 46.7,18.275 80.358,18.275 80.58,18.275 86.596,24.292 86.596,24.514 86.596,41.285 82.375,45.506 82.375,50.587 84.475,52.687 84.475,68.775 82.613,70.637 82.613,79.912 v1(78.3,84.225)
CONN_BUTTON2: X4.11 X10.6 | length 135.7
  Bottom Layer w0.2: X10.6@38.04,3 38.04,11.94 44.7,18.6 80.445,18.6 86.271,24.426 86.271,41.15 82.05,45.371 82.05,50.722 84.15,52.822 84.15,68.15 82.213,70.088 82.213,79.277 76.214,85.275 71.5,85.275 70.21,83.985 X4.11@70.15,83.985
CONN_CURRENT1: 5.1 *1.2 X4.19 | length 68
  Top Layer w0.254: 5.1@67.786,73.845 5.1@67.816,73.845 ; 5.1@67.786,73.875 5.1@67.816,73.845 ; X4.19@70.17,73.845 5.1@67.816,73.845
  Layer 1 w0.254: v1(24.475,47.05) 26.165,47.05 27.85,45.365 50.689,45.365 52.475,47.151 52.475,60.107 57.4,65.032 66.243,73.875 5.1@67.786,73.875
  Bottom Layer w0.254: *1.2@22.825,48.25 23.198,47.877 23.648,47.877 v1(24.475,47.05)
CONN_CURRENT2: 15.1 *.2 X4.16 | length 98.5
  Top Layer w0.254: v1@26,72.525 59.525,72.525 61.3,70.75 73.5,70.75 75.125,72.375 75.125,77.725 73.985,78.865 X4.16@72.69,78.865 ; 15.1@67.654,80.325 67.816,80.163 15.1@68.091,80.163 ; 15.1@67.654,80.6 15.1@68.091,80.163 ; X4.16@72.71,78.925 71.472,80.163 15.1@68.091,80.163
  Layer 1 w0.254: v1(39.094,75.997) 41.217,73.875 59.743,73.875 66.192,80.325 15.1@67.654,80.325
  Bottom Layer w0.254: v1(39.094,75.997) *.2@39.094,77.381
  other v1: 26,72.5
CONN_PH1: 10.1 R57.2 X4.17 | length 52.8
  Top Layer w0.2: 10.1@20.062,75.425 20.062,75.163 20.65,74.575 21.977,74.575 22.277,74.875 63.8,74.875 65.21,76.285 X4.17@70.15,76.285
  Bottom Layer w0.254: 10.1@20.062,75.425 20.175,75.537 R57.2@20.175,76.9
CONN_PH2: 7.1 R58.2 X4.18 | length 105.1
  Top Layer w0.254: v1(24.074,72.524) 24.119,72.524 25.334,73.739 59.536,73.739 61.65,71.625 73.06,71.625 74.425,72.99 74.425,75 73.14,76.285 X4.18@72.69,76.285
  Bottom Layer w0.254: R58.2@16.55,91.625 16.325,91.625 16.087,91.863 15.138,91.863 7.1@15.125,91.85 14.897,91.85 13.502,93.245 6.559,93.245 4.871,91.557 4.871,77.16 9.231,72.799 9.306,72.725 9.692,72.672 16.484,72.602 ccw(c16.486,72.856) 16.486,72.602 22.468,72.602 23.909,72.587 24.013,72.586 24.038,72.561 v1(24.074,72.524)
CONN_PWM1: 18.1 R57.1 X4.15 | length 51.7
  Top Layer w0.2: 18.1@21.625,75.425 21.721,75.329 61.929,75.329 65.465,78.865 X4.15@70.15,78.865
  Bottom Layer w0.254: R57.1@21.05,76.9 21.05,76.625 21.625,76.05 18.1@21.625,75.425
CONN_PWM2: 1.1 R58.1 X4.20 | length 98
  Top Layer w0.254: v1(24.168,73.394) 24.892,74.118 61.457,74.118 63.147,72.428 71.5,72.428 72.69,73.618 X4.20@72.69,73.705
  Bottom Layer w0.254: R58.1@16.625,90.75 15.75,90.75 15.225,90.225 1.1@15.125,90.325 15.011,90.325 12.469,92.866 6.716,92.866 5.25,91.4 5.25,77.65 9.713,73.187 23.868,73.187 24.074,73.394 v1(24.168,73.394)
CONN_SERVO1: 14.1 X4.14 X14.1 | length 54.2
  Top Layer w0.3: 14.1@78.25,40.325 79.245,40.325 79.91,39.66 X14.1@79.91,38.2
  Bottom Layer w0.2: X4.14@72.69,81.445 76.855,81.445 81.375,76.925 81.375,69.225 83.5,67.1 83.5,53.091 81.4,50.991 81.4,42.7 79.087,40.388 78.187,40.388 14.1@78.25,40.325
CONN_SERVO2: 12.1 X4.12 X13.1 | length 60.9
  Top Layer w0.3: 12.1@78.275,35.455 79.935,33.795 X13.1@79.935,33.225
  Bottom Layer w0.2: X4.12@72.69,83.985 73.275,83.4 77.625,83.4 81.887,79.138 81.887,69.562 83.825,67.625 83.825,52.957 81.725,50.857 81.725,42.375 78.275,38.925 12.1@78.275,35.455
CONN_SERVO3: 3.1 X5.20 X15.1 | length 14.3
  Top Layer w0.3: 3.1@78.3,30.475 78.415,30.36 79.4,30.36 79.91,29.85 X15.1@79.91,28.225
  Bottom Layer w0.3: X5.20@72.69,23.34 77.615,23.34 79.91,25.635 X15.1@79.91,28.225